# Allegro board 6089-119-RevA_41.brd (continued)
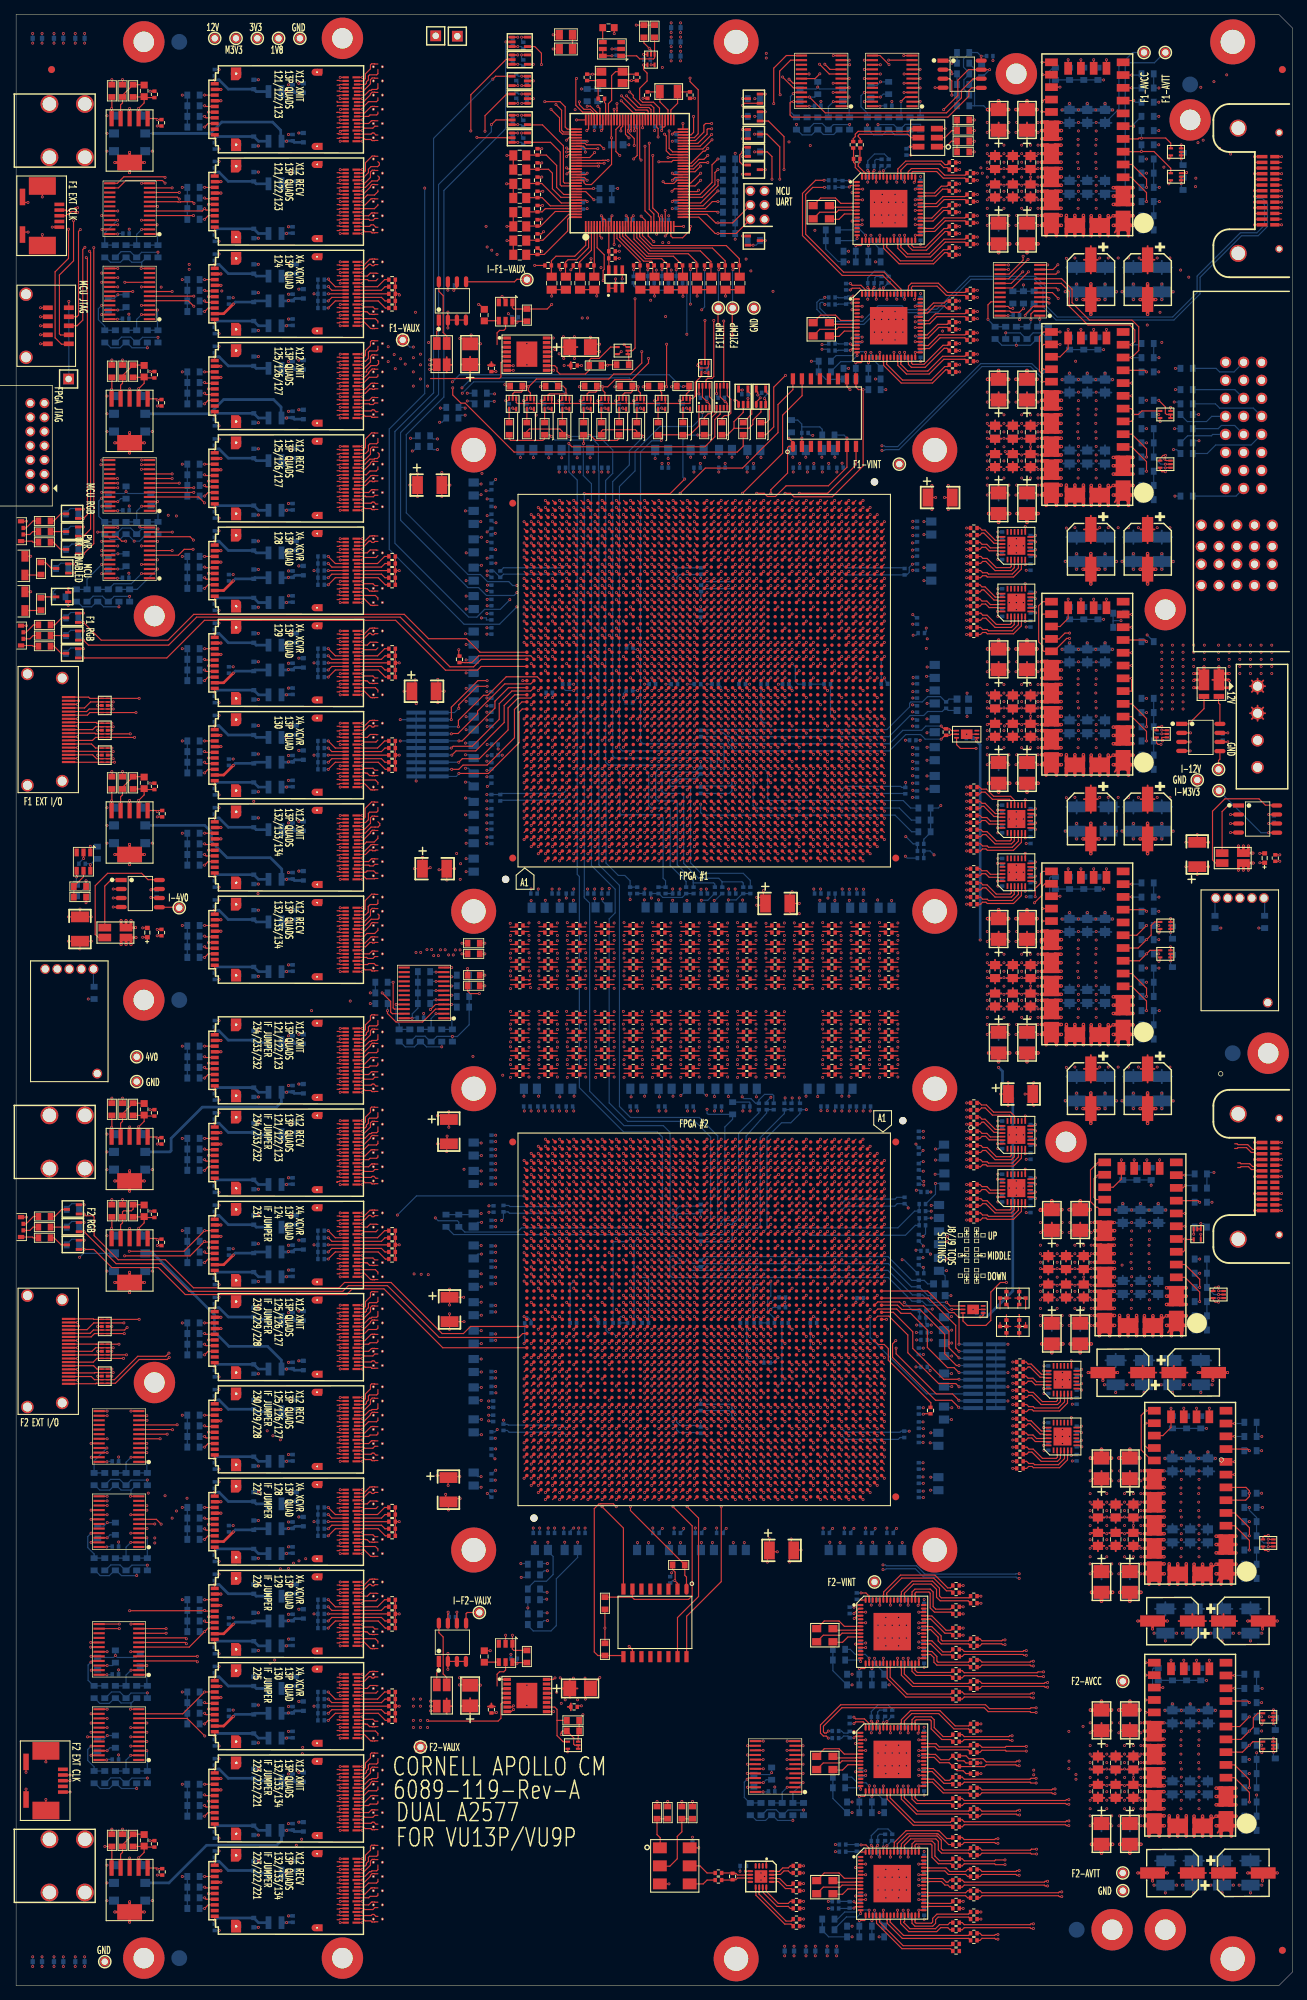
[diagram p0: board, top side]
## Routing (per net, layer and track width the routed paths; a pad name or vN(x,y) marks a point on that pad's centre or on a via; arc(x,y) is an arc through that point) (continued)
N16905335: length 6.6
  TOP w0.165: U11.21 10.72,45.77 v1(10.55,45.6)
  BOTTOM w0.165: v1(10.55,45.6) 10.15,45.2 10.15,43.05 10.94,42.26 R678.2 R668.1
N16905409: length 5.1
  TOP w0.165: U11.2 v1(16.2,44.48)
  BOTTOM w0.165: R656.2 R646.1 15.5,43.78 v1(16.2,44.48)
N16905483: length 4.2
  TOP w0.165: U11.1 v1(18.43,43.83)
  BOTTOM w0.165: v1(18.43,43.83) 18.43,42.33 R627.1 R635.2
N16905487: length 21.1
  TOP w0.165: U11.17 v1(10.53,48.38) ; U12.23 v1(10.57,32.48)
  SIG2 w0.079: v1(10.57,32.48) 10.57,33.02 11.1,33.55 11.1,35.75 10.15,36.7 10.15,37.3 11.25,38.4 11.25,46.3 10.1,47.45 10.1,47.95 v1(10.53,48.38)
  BOTTOM w0.165: R673.1 11.13,33.04 v1(10.57,32.48)
N16905489: length 19.7
  TOP w0.165: U12.22 v1(12.83,33.12) ; U11.18 v1(10.53,47.73)
  SIG2 w0.079: v1(10.53,47.73) 10.55,47.75 11.25,47.75 12.05,46.95 12.05,33.91 v1(12.83,33.12)
  BOTTOM w0.165: R657.1 13.24,33.54 v1(12.83,33.12)
N16905629: length 5.5
  TOP w0.165: U12.3 v1(18.43,33.12)
  BOTTOM w0.165: v1(18.43,33.12) 18.5,33.06 R628.1 R636.2
N16905702: length 5.1
  TOP w0.165: U12.2 v1(16.17,32.48)
  BOTTOM w0.165: R658.2 R647.1 15.5,31.81 v1(16.17,32.48)
N16905747: length 6.7
  TOP w0.165: U12.21 v1(10.57,33.77)
  BOTTOM w0.165: v1(10.57,33.77) 10.1,33.31 10.1,31.75 11,30.85 R679.2 R669.1
N16967427: length 9.4
  TOP w0.165: U26A.1 v1(28,242.55)
  BOTTOM w0.165: C1173.1 v1(28,242.55)
  BOTTOM w0.38: v1(28,242.55) 28,242.55 28.6,242.55 29.91,241.24 C1125.1 33.84,240.9 L9.2
N16967445: length 9.1
  TOP w0.165: U26A.10 v1(28,234.25)
  BOTTOM w0.165: C1175.1 v1(28,234.25)
  BOTTOM w0.38: L11.2 34.16,233.9 C1127.1 28.31,234.56 v1(28,234.25)
N16967472: length 8.9
  TOP w0.38: U26A.9 29.26,235.6 v1(30.61,236.95)
  BOTTOM w0.165: C1174.1 v1(30.61,236.95)
  BOTTOM w0.38: v1(30.61,236.95) 30.9,237.24 C1126.1 33.66,237.4 L10.2
N16967493: length 3.4
  TOP w0.165: U26A.B12 45,237.4 44.01,236.41 v1(44.01,236.4)
  BOTTOM w0.165: R502.2 v1(44.01,236.4)
N16967496: length 3.2
  TOP w0.165: v1(44.01,237.4) 44.51,237.9 U26A.B11
  BOTTOM w0.165: R501.2 v1(44.01,237.4)
N16967499: length 3
  TOP w0.165: v1(44.05,238.4) U26A.B10
  BOTTOM w0.165: R500.2 v1(44.05,238.4)
N16967502: length 3.3
  TOP w0.165: U26A.B9 44.51,238.9 44.01,239.4 44.01,239.43 v1(44.03,239.43)
  BOTTOM w0.165: R499.2 44.01,239.4 44.01,239.43 v1(44.03,239.43)
N16967505: length 3.7
  TOP w0.165: v1(44.03,240.49) 44.01,240.49 44.01,240.39 45,239.4 U26A.B8
  BOTTOM w0.165: R498.2 44.01,240.4 44.01,240.49 v1(44.03,240.49)
N16967508: length 4.9
  TOP w0.165: U26A.A12 51.05,237.4 52.05,236.4 R37.2
N16967511: length 4.7
  TOP w0.165: R36.2 52,237.4 51.5,237.9 U26A.A11
N16967514: length 4.6
  TOP w0.165: U26A.A10 R35.2
N16967517: length 4.7
  TOP w0.165: U26A.A9 51.5,238.9 52,239.4 R34.2
N16967520: length 4.9
  TOP w0.165: U26A.A8 50.95,239.4 51.95,240.4 R33.2
N16968645: length 3.4
  TOP w0.165: U29A.B12 45,198.4 44.01,197.41 v1(44.01,197.4)
  BOTTOM w0.165: R507.2 v1(44.01,197.4)
N16968646: length 3.2
  TOP w0.165: U29A.B11 44.51,198.9 v1(44.01,198.4)
  BOTTOM w0.165: R506.2 v1(44.01,198.4)
N16968647: length 3
  TOP w0.165: 44,199.4 v1(44.01,199.4) U29A.B10
  BOTTOM w0.165: R505.2 v1(44.01,199.4)
N16968648: length 3.2
  TOP w0.165: U29A.B9 44.51,199.9 v1(44.01,200.4)
  BOTTOM w0.165: R504.2 v1(44.01,200.4)
N16968649: length 3.4
  TOP w0.165: v1(44.01,201.4) 44.01,201.39 45,200.4 U29A.B8
  BOTTOM w0.165: R503.2 v1(44.01,201.4)
N16968650: length 4.9
  TOP w0.165: R42.2 52.05,197.4 51.05,198.4 U29A.A12
N16968651: length 4.7
  TOP w0.165: R41.2 52,198.4 51.5,198.9 U29A.A11
N16968652: length 4.6
  TOP w0.165: U29A.A10 R40.2
N16968653: length 4.7
  TOP w0.165: R39.2 52,200.4 51.5,199.9 U29A.A9
N16968654: length 4.9
  TOP w0.165: U29A.A8 50.95,200.4 51.95,201.4 R38.2
N16969791: length 3.4
  TOP w0.165: v1(44.01,184.4) 44.01,184.41 45,185.4 U30A.B12
  BOTTOM w0.165: R512.2 v1(44.01,184.4)
N16969794: length 3.2
  TOP w0.165: v1(44.01,185.4) 44.51,185.9 U30A.B11
  BOTTOM w0.165: R511.2 v1(44.01,185.4)
N16969797: length 3
  TOP w0.165: U30A.B10 v1(44.01,186.4) 44,186.4
  BOTTOM w0.165: R510.2 v1(44.01,186.4)
N16969800: length 3.2
  TOP w0.165: U30A.B9 44.51,186.9 v1(44.01,187.4)
  BOTTOM w0.165: R509.2 v1(44.01,187.4)
N16969803: length 3.4
  TOP w0.165: U30A.B8 45,187.4 44.01,188.39 v1(44.01,188.4)
  BOTTOM w0.165: R508.2 v1(44.01,188.4)
N16969806: length 4.9
  TOP w0.165: U30A.A12 51.05,185.4 52.05,184.4 R47.2
N16969809: length 4.7
  TOP w0.165: U30A.A11 51.5,185.9 52,185.4 R46.2
N16969812: length 4.6
  TOP w0.165: U30A.A10 R45.2
N16969815: length 4.7
  TOP w0.165: R44.2 52,187.4 51.5,186.9 U30A.A9
N16969818: length 4.9
  TOP w0.165: U30A.A8 50.95,187.4 51.95,188.4 R43.2
N16970905: length 3.4
  TOP w0.165: v1(44.01,171.4) 44.01,171.41 45,172.4 U31A.B12
  BOTTOM w0.165: R517.2 v1(44.01,171.4)
N16970908: length 3.2
  TOP w0.165: U31A.B11 44.51,172.9 v1(44.01,172.4)
  BOTTOM w0.165: R516.2 v1(44.01,172.4)
N16970911: length 3
  TOP w0.165: 44,173.4 v1(44.01,173.4) U31A.B10
  BOTTOM w0.165: R515.2 v1(44.01,173.4)
N16970914: length 3.2
  TOP w0.165: v1(44.01,174.4) 44.51,173.9 U31A.B9
  BOTTOM w0.165: R514.2 v1(44.01,174.4)
N16970917: length 3.4
  TOP w0.165: U31A.B8 45,174.4 44.01,175.39 v1(44.01,175.4)
  BOTTOM w0.165: R513.2 v1(44.01,175.4)
N16970920: length 4.9
  TOP w0.165: U31A.A12 51.05,172.4 52.05,171.4 R52.2
N16970923: length 4.7
  TOP w0.165: R51.2 52,172.4 51.5,172.9 U31A.A11
N16970926: length 4.6
  TOP w0.165: U31A.A10 R50.2
N16970929: length 4.7
  TOP w0.165: R49.2 52,174.4 51.5,173.9 U31A.A9
N16970932: length 4.9
  TOP w0.165: R48.2 51.95,175.4 50.95,174.4 U31A.A8
N17281747: length 4.5
  TOP w0.165: C97.1 82.15,268.45 X1.3 82.05,267.65 R107.1
N17534091: length 7.3
  TOP w0.165: U75.AR20 v1(106.39,177.51)
  BOTTOM w0.165: v1(106.39,177.51) 105.95,177.95 105.4,177.95 105,178.35 R397.2
N17747532: length 7.6
  BOTTOM w0.165: R192.1 171.96,209.9 P1.9
N17747535: length 7.9
  BOTTOM w0.165: R189.1 169.45,219.4 169.9,219.85 171.77,219.85 P1.12
N17747538: length 7.7
  BOTTOM w0.165: R186.1 171.8,224.9 P1.14
N17747541: length 7.9
  BOTTOM w0.165: P1.16 171.68,227.4 169.65,227.4 169.15,227.9 R185.1
N17808152: length 2
  TOP w0.165: C31.1 66.02,45.6 U48.4
N17810200: length 2
  TOP w0.165: C30.1 66.02,234.6 U47.4
N17817320: length 4
  TOP w0.165: U120.8 169.69,180.56 169.5,180.75 169.5,181.62 R145.S2
N17817333: length 5.8
  TOP w0.165: R145.S1 167.45,181.67 167.45,179.95 165.31,177.81 U120.1
N17820026: length 9.2
  TOP w0.165: R73.S1 60.7,232.45 60.2,232.95 60.2,238.15 59.6,238.75 59.6,240.09 U45.8
N17820031: length 3.4
  TOP w0.165: U45.1 59.55,234.66 59.55,233.35 59.3,233.1 R73.S2
N17821880: length 9.2
  TOP w0.165: U46.8 59.6,51.09 59.6,49.75 60.2,49.15 60.2,43.95 60.7,43.45 R74.S1
N17821885: length 3.4
  TOP w0.165: U46.1 59.55,45.66 59.55,44.35 59.3,44.1 R74.S2
N17913787: length 2.5
  TOP w0.165: R1.1 4.14,200.56 4.95,199.75 5.6,199.75 Q1.3
N17913791: length 2.3
  TOP w0.165: R1.2 3.44,198.78 D4.1
N17914174: length 2.2
  TOP w0.165: R2.1 3.64,195.7 Q2.3
N17914178: length 2.3
  TOP w0.165: D5.1 3.44,193.78 R2.2
N18303244: length 9.4
  TOP w0.165: U24A.1 v1(28,268.55)
  BOTTOM w0.165: C1169.1 v1(28,268.55)
  BOTTOM w0.38: v1(28,268.55) 28,268.55 28.6,268.55 29.91,267.24 C1121.1 33.84,266.9 L5.2
N18303338: length 9.1
  TOP w0.165: U24A.10 v1(28,260.25)
  BOTTOM w0.165: C1170.1 v1(28,260.25)
  BOTTOM w0.38: L6.2 34.16,259.9 C1122.1 28.31,260.56 v1(28,260.25)
N18307677: length 9.4
  TOP w0.165: U25A.1 v1(28,255.55)
  BOTTOM w0.165: C1171.1 v1(28,255.55)
  BOTTOM w0.38: L7.2 33.84,253.9 C1123.1 29.91,254.24 28.6,255.55 28,255.55 v1(28,255.55)
N18307758: length 9.1
  TOP w0.165: U25A.10 v1(28,247.25)
  BOTTOM w0.165: C1172.1 v1(28,247.25)
  BOTTOM w0.38: v1(28,247.25) 28.31,247.56 C1124.1 34.16,246.9 L8.2
N18389223: length 13.6
  TOP w0.165: C543.1 v1(175.32,158.24) ; C544.1 v1(178.13,158.45)
  TOP w0.38: 173.7,158.2 R146.2 ; 173.7,158.2 v1(174.4,158.2) ; 173.7,158.2 v1(173.7,157.2) ; R146.2 172.68,158.2 172.3,157.82 v1(172.3,157.2) ; R146.2 v1(173,157.2)
  PWR4 w0.254: 173.53,152.6 U122.4 ; U122.4 173.82,152.4 ; U122.4 174.2,152.39 ; U122.4 174.87,152.6 ; U122.4 174.58,154.14 ; U122.4 174.87,153.94 ; U122.4 174.2,154.14 ; U122.4 173.53,153.94
N18389242: length 2.5
  BOTTOM w0.165: U122.5 176,153.17 R149.2
N18389247: length 2.5
  BOTTOM w0.165: U122.1 169,153.17 R172.2
N18389249: length 18.5
  TOP w0.165: R146.S2 169.1,158.2 168.65,158.65 168.65,165.5 170.4,167.25 175.2,167.25 176.1,166.35 177.65,166.35 U123.8
N18389250: length 8.5
  TOP w0.165: R146.S1 170,165.45 170.9,166.35 172.26,166.35 U123.1
N18444707: length 18.5
  TOP w0.165: R20.S2 11.6,147.7 11.15,148.15 11.15,155 12.9,156.75 17.7,156.75 18.6,155.85 20.15,155.85 U23.8
N18444732: length 8.5
  TOP w0.165: R20.S1 12.5,154.95 13.4,155.85 14.76,155.85 U23.1
N18444836: length 22.3
  TOP w0.165: C17.1 v1(19.89,147.95) ; C8.1 v1(17.85,147.74) ; R13.2 v1(9.86,152.6)
  TOP w0.38: v1(16.2,146.7) 16.2,147.7 ; 16.2,147.7 v1(16.9,147.7) ; 16.2,147.7 R20.2 ; v1(14.8,146.7) 14.8,147.32 15.18,147.7 R20.2 ; R20.2 v1(15.5,146.7)
  SIG1 w0.079: v1(14.8,146.7) 14.8,147.67 v1(9.86,152.6)
  PWR4 w0.254: 9.2,142.39 U1.4 ; U1.4 9.58,144.14 ; U1.4 9.87,142.6 ; U1.4 8.82,144.14 ; U1.4 9.87,143.94 ; U1.4 8.82,142.4 ; U1.4 9.2,144.14 ; U1.4 9.58,142.4
N18444893: length 2.5
  BOTTOM w0.165: U1.5 10.9,140.86 R675.2
N18451315: length 2.5
  TOP w0.165: R127.1 v1(93.05,241.79)
  BOTTOM w0.165: R436.1 R435.2 v1(93.05,241.79)
N18454186: length 4.3
  TOP w0.165: U2.5 9.5,156.26 R12.2 R13.1
N18676964: length 7.1
  TOP w0.165: U19.4 14.73,167.53 15,167.8 R23.1 15,168.86 R29.2 17.95,170.36 C4.1
N18680159: length 7.1
  TOP w0.165: U16.4 14.73,225.53 15,225.8 R22.1 15,226.86 R28.2 17.95,228.36 C3.1
N18680729: length 7.1
  TOP w0.165: C2.1 17.95,267.86 R27.2 15,266.36 R21.1 15,265.3 14.73,265.03 U13.4
N18682561: length 7.1
  TOP w0.165: C5.1 17.95,124.36 R30.2 15,122.86 R24.1 15,121.8 14.73,121.53 U20.4
N18682763: length 7.7
  TOP w0.165: C6.1 17.95,110.06 R31.2 16.5,109.45 16.25,109.2 15.17,109.2 15,109.03 R25.1 15,107.5 14.73,107.23 U21.4
N18682965: length 7.1
  TOP w0.165: C7.1 17.95,21.36 R32.2 15,19.86 R26.1 15,18.8 14.73,18.53 U22.4
N18723259: length 7
  TOP w0.165: U89.7 116.75,50.65 116,51.4 113.92,51.4 X5.2
N18723260: length 4.2
  TOP w0.165: X5.4 115.22,48.4 116.5,48.4 117.25,49.15 U89.10
N18887373: length 3.8
  TOP w0.165: v1(118.86,44.7) 118.87,44.7 119.6,44.7 119.75,44.85 U89.17
  BOTTOM w0.165: R340.1 R339.2 v1(118.86,44.7)
N18887411: length 3.1
  TOP w0.165: U89.19 120.75,44.81 v1(120.64,44.7)
  BOTTOM w0.165: v1(120.64,44.7) R319.2 R320.1
N18922453: length 7
  TOP w0.165: U90.7 116.75,32.65 116,33.4 113.92,33.4 X6.2
N18922454: length 4.2
  TOP w0.165: U90.10 117.25,31.15 116.5,30.4 115.22,30.4 X6.4
N18922539: length 3.8
  TOP w0.165: U90.17 119.75,26.85 119.6,26.7 118.87,26.7 v1(118.86,26.7)
  BOTTOM w0.165: R342.1 R341.2 v1(118.86,26.7)
N18922545: length 3.1
  TOP w0.165: v1(120.64,26.7) 120.75,26.81 U90.19
  BOTTOM w0.165: v1(120.64,26.7) R321.2 R322.1
N18923791: length 7
  TOP w0.165: X7.2 113.92,15.9 116,15.9 116.75,15.15 U91.7
N18923792: length 4.2
  TOP w0.165: U91.10 117.25,13.65 116.5,12.9 115.22,12.9 X7.4
N18923877: length 3.8
  TOP w0.165: v1(118.86,9.2) 118.87,9.2 119.6,9.2 119.75,9.35 U91.17
  BOTTOM w0.165: v1(118.86,9.2) R343.2 R344.1
N18923883: length 3.1
  TOP w0.165: v1(120.64,9.2) 120.75,9.31 U91.19
  BOTTOM w0.165: v1(120.64,9.2) R323.2 R324.1
N19118039: length 11.8
  TOP w0.165: J4.2 v1(7.43,237.34)
  BOTTOM w0.165: v1(7.43,237.34) 7.43,226.44 TP1.1
N19215471: length 41.7
  TOP w0.165: U95.1 131.67,95.8 v1(131.15,96.32) ; U77.AH19 v1(94.61,101.29)
  BOTTOM w0.165: v1(131.15,96.32) 131.13,96.3 128.85,96.3 127.8,97.35 C768.1 126.35,97.35 122.9,100.8 95.1,100.8 v1(94.61,101.29)
N19215496: length 48.1
  TOP w0.165: U77.AJ18 v1(93.61,102.29) ; U95.2 v1(131.9,95.3)
  BOTTOM w0.165: v1(93.61,102.29) 93.1,102.8 92.35,102.8 92.15,102.6 92.15,100.15 92.5,99.8 122.95,99.8 126.3,96.45 C768.2 127.75,96.45 128.3,95.9 130.8,95.9 131.4,95.3 v1(131.9,95.3)
N19421483: length 9.4
  TOP w0.165: U27A.1 v1(28,229.55)
  BOTTOM w0.165: C1176.1 v1(28,229.55)
  BOTTOM w0.38: v1(28,229.55) 28,229.55 28.6,229.55 29.91,228.24 C1128.1 33.84,227.9 L12.2
N19421577: length 9.1
  TOP w0.165: U27A.10 v1(28,221.25)
  BOTTOM w0.165: C1177.1 v1(28,221.25)
  BOTTOM w0.38: L13.2 34.16,220.9 C1129.1 28.31,221.56 v1(28,221.25)
N19422195: length 9.4
  TOP w0.165: U32A.1 v1(28,164.55)
  BOTTOM w0.165: C1189.1 v1(28,164.55)
  BOTTOM w0.38: v1(28,164.55) 28,164.55 28.6,164.55 29.91,163.24 C1141.1 33.84,162.9 L25.2
N19422289: length 9.1
  TOP w0.165: U32A.10 v1(28,156.25)
  BOTTOM w0.165: C1190.1 v1(28,156.25)
  BOTTOM w0.38: L26.2 34.16,155.9 C1142.1 28.31,156.56 v1(28,156.25)
N19422896: length 9.4
  TOP w0.165: U34A.1 v1(28,134.55)
  BOTTOM w0.165: C1193.1 v1(28,134.55)
  BOTTOM w0.38: v1(28,134.55) 28,134.55 28.6,134.55 29.91,133.24 C1145.1 33.84,132.9 L29.2
N19422990: length 9.1
  TOP w0.165: U34A.10 v1(28,126.25)
  BOTTOM w0.165: C1194.1 v1(28,126.25)
  BOTTOM w0.38: v1(28,126.25) 28.31,126.56 C1146.1 34.16,125.9 L30.2
N19423601: length 9.4
  TOP w0.165: U37A.1 v1(28,95.55)
  BOTTOM w0.165: C1200.1 v1(28,95.55)
  BOTTOM w0.38: L36.2 33.84,93.9 C1152.1 29.91,94.24 28.6,95.55 28,95.55 v1(28,95.55)
N19423695: length 9.1
  TOP w0.165: U37A.10 v1(28,87.25)
  BOTTOM w0.165: C1201.1 v1(28,87.25)
  BOTTOM w0.38: v1(28,87.25) 28.31,87.56 C1153.1 34.16,86.9 L37.2
N19424304: length 9.4
  TOP w0.165: U42A.1 v1(28,30.55)
  BOTTOM w0.165: C1213.1 v1(28,30.55)
  BOTTOM w0.38: L49.2 33.84,28.9 C1165.1 29.91,29.24 28.6,30.55 28,30.55 v1(28,30.55)
N19424398: length 9.1
  TOP w0.165: U42A.10 v1(28,22.25)
  BOTTOM w0.165: C1214.1 v1(28,22.25)
  BOTTOM w0.38: v1(28,22.25) 28.31,22.56 C1166.1 34.16,21.9 L50.2
N19424972: length 9.4
  TOP w0.165: U28A.1 v1(28,216.55)
  BOTTOM w0.165: 28,217.1 C1178.1 v1(28,216.55)
  BOTTOM w0.38: v1(28,216.55) 28,216.55 28.6,216.55 29.91,215.24 C1130.1 33.84,214.9 L14.2
N19425053: length 9.1
  TOP w0.165: U28A.10 v1(28,208.25)
  BOTTOM w0.165: C1179.1 v1(28,208.25)
  BOTTOM w0.38: v1(28,208.25) 28.31,208.56 C1131.1 34.16,207.9 L15.2
N19425579: length 9.4
  TOP w0.165: U33A.1 v1(28,151.55)
  BOTTOM w0.165: C1191.1 v1(28,151.55)
  BOTTOM w0.38: v1(28,151.55) 28,151.55 28.6,151.55 29.91,150.24 C1143.1 33.84,149.9 L27.2
N19425660: length 9.1
  TOP w0.165: U33A.10 v1(28,143.25)
  BOTTOM w0.165: C1192.1 v1(28,143.25)
  BOTTOM w0.38: L28.2 34.16,142.9 C1144.1 28.31,143.56 v1(28,143.25)
N19426192: length 9.4
  TOP w0.165: U35A.1 v1(28,121.55)
  BOTTOM w0.165: C1195.1 v1(28,121.55)
  BOTTOM w0.38: v1(28,121.55) 28,121.55 28.6,121.55 29.91,120.24 C1147.1 33.84,119.9 L31.2
N19426273: length 9.1
  TOP w0.165: U35A.10 v1(28,113.25)
  BOTTOM w0.165: C1196.1 v1(28,113.25)
  BOTTOM w0.38: v1(28,113.25) 28.31,113.56 C1148.1 34.16,112.9 L32.2
N19426822: length 9.4
  TOP w0.165: U38A.1 v1(28,82.55)
  BOTTOM w0.165: C1202.1 v1(28,82.55)
  BOTTOM w0.38: L38.2 33.84,80.9 C1154.1 29.91,81.24 28.6,82.55 28,82.55 v1(28,82.55)
N19426903: length 9.1
  TOP w0.165: U38A.10 v1(28,74.25)
  BOTTOM w0.165: C1203.1 v1(28,74.25)
  BOTTOM w0.38: L39.2 34.16,73.9 C1155.1 28.31,74.56 v1(28,74.25)
N19427434: length 9.4
  TOP w0.165: U43A.1 v1(28,17.55)
  BOTTOM w0.165: C1215.1 v1(28,17.55)
  BOTTOM w0.38: v1(28,17.55) 28,17.55 28.6,17.55 29.91,16.24 C1167.1 33.84,15.9 L51.2
N19427515: length 9.1
  TOP w0.165: U43A.10 v1(28,9.25)
  BOTTOM w0.165: C1216.1 v1(28,9.25)
  BOTTOM w0.38: v1(28,9.25) 28.31,9.56 C1168.1 34.16,8.9 L52.2
N19432697: length 9.4
  TOP w0.165: U29A.1 v1(28,203.55)
  BOTTOM w0.165: C1180.1 v1(28,203.55)
  BOTTOM w0.38: v1(28,203.55) 28,203.55 28.6,203.55 29.91,202.24 C1132.1 33.84,201.9 L16.2
N19432778: length 9.1
  TOP w0.165: U29A.10 v1(28,195.25)
  BOTTOM w0.165: C1182.1 v1(28,195.25)
  BOTTOM w0.38: v1(28,195.25) 28.31,195.56 C1134.1 34.16,194.9 L18.2
N19432841: length 8.9
  TOP w0.38: v1(30.61,197.95) 29.26,196.6 U29A.9
  BOTTOM w0.165: C1181.1 v1(30.61,197.95)
  BOTTOM w0.38: L17.2 33.66,198.4 C1133.1 30.9,198.24 v1(30.61,197.95)
N19433423: length 9.4
  TOP w0.165: U30A.1 v1(28,190.55)
  BOTTOM w0.165: C1183.1 v1(28,190.55)
  BOTTOM w0.38: L19.2 33.84,188.9 C1135.1 29.91,189.24 28.6,190.55 28,190.55 v1(28,190.55)
N19433504: length 9.1
  TOP w0.165: U30A.10 v1(28,182.25)
  BOTTOM w0.165: C1185.1 v1(28,182.25)
  BOTTOM w0.38: v1(28,182.25) 28.31,182.56 C1137.1 34.16,181.9 L21.2
N19433567: length 8.9
  TOP w0.38: v1(30.61,184.95) 29.26,183.6 U30A.9
  BOTTOM w0.165: C1184.1 v1(30.61,184.95)
  BOTTOM w0.38: v1(30.61,184.95) 30.9,185.24 C1136.1 33.66,185.4 L20.2
N19434150: length 9.4
  TOP w0.165: U31A.1 v1(28,177.55)
  BOTTOM w0.165: C1186.1 v1(28,177.55)
  BOTTOM w0.38: v1(28,177.55) 28,177.55 28.6,177.55 29.91,176.24 C1138.1 33.84,175.9 L22.2
N19434231: length 9.1
  TOP w0.165: U31A.10 v1(28,169.25)
  BOTTOM w0.165: C1188.1 v1(28,169.25)
  BOTTOM w0.38: v1(28,169.25) 28.31,169.56 C1140.1 34.16,168.9 L24.2
N19434294: length 8.9
  TOP w0.38: v1(30.61,171.95) 29.26,170.6 U31A.9
  BOTTOM w0.165: C1187.1 v1(30.61,171.95)
  BOTTOM w0.38: v1(30.61,171.95) 30.9,172.24 C1139.1 33.66,172.4 L23.2
N19434874: length 9.4
  TOP w0.165: U36A.1 v1(28,108.55)
  BOTTOM w0.165: C1197.1 v1(28,108.55)
  BOTTOM w0.38: L33.2 33.84,106.9 C1149.1 29.91,107.24 28.6,108.55 28,108.55 v1(28,108.55)
N19434955: length 9.1
  TOP w0.165: U36A.10 v1(28,100.25)
  BOTTOM w0.165: C1199.1 v1(28,100.25)
  BOTTOM w0.38: v1(28,100.25) 28.31,100.56 C1151.1 34.16,99.9 L35.2
N19435018: length 8.9
  TOP w0.38: v1(30.61,102.95) 29.26,101.6 U36A.9
  BOTTOM w0.165: C1198.1 v1(30.61,102.95)
  BOTTOM w0.38: L34.2 33.66,103.4 C1150.1 30.9,103.24 v1(30.61,102.95)
N19435600: length 9.4
  TOP w0.165: U39A.1 v1(28,69.55)
  BOTTOM w0.165: C1204.1 v1(28,69.55)
  BOTTOM w0.38: v1(28,69.55) 28,69.55 28.6,69.55 29.91,68.24 C1156.1 33.84,67.9 L40.2
N19435681: length 9.1
  TOP w0.165: U39A.10 v1(28,61.25)
  BOTTOM w0.165: C1206.1 v1(28,61.25)
  BOTTOM w0.38: L42.2 34.16,60.9 C1158.1 28.31,61.56 v1(28,61.25)
N19435744: length 8.9
  TOP w0.38: v1(30.61,63.95) 29.26,62.6 U39A.9
  BOTTOM w0.165: C1205.1 v1(30.61,63.95)
  BOTTOM w0.38: L41.2 33.66,64.4 C1157.1 30.9,64.24 v1(30.61,63.95)
N19436328: length 9.4
  TOP w0.165: U40A.1 v1(28,56.55)
  BOTTOM w0.165: C1207.1 v1(28,56.55)
  BOTTOM w0.38: v1(28,56.55) 28,56.55 28.6,56.55 29.91,55.24 C1159.1 33.84,54.9 L43.2
N19436409: length 9.1
  TOP w0.165: U40A.10 v1(28,48.25)
  BOTTOM w0.165: C1209.1 v1(28,48.25)
  BOTTOM w0.38: v1(28,48.25) 28.31,48.56 C1161.1 34.16,47.9 L45.2
N19436472: length 8.9
  TOP w0.38: v1(30.61,50.95) 29.26,49.6 U40A.9
  BOTTOM w0.165: C1208.1 v1(30.61,50.95)
  BOTTOM w0.38: L44.2 33.66,51.4 C1160.1 30.9,51.24 v1(30.61,50.95)
N19437051: length 9.4
  TOP w0.165: U41A.1 v1(28,43.55)
  BOTTOM w0.165: C1210.1 v1(28,43.55)
  BOTTOM w0.38: v1(28,43.55) 28,43.55 28.6,43.55 29.91,42.24 C1162.1 33.84,41.9 L46.2
N19437132: length 9.1
  TOP w0.165: U41A.10 v1(28,35.25)
  BOTTOM w0.165: C1212.1 v1(28,35.25)
  BOTTOM w0.38: L48.2 34.16,34.9 C1164.1 28.31,35.56 v1(28,35.25)
N19437195: length 8.9
  TOP w0.38: U41A.9 29.26,36.6 v1(30.61,37.95)
  BOTTOM w0.165: C1211.1 v1(30.61,37.95)
  BOTTOM w0.38: L47.2 33.66,38.4 C1163.1 30.9,38.24 v1(30.61,37.95)
N19810018: length 3.5
  TOP w0.165: U77.AV28 v1(84.61,91.51)
  BOTTOM w0.165: R456.2 83,92.85 83.15,92.7 83.15,92.35 83.5,92 84.12,92 v1(84.61,91.51)
N19811960: length 9.7